# KiCad board clarinoid-devboard.kicad_pcb (continued)
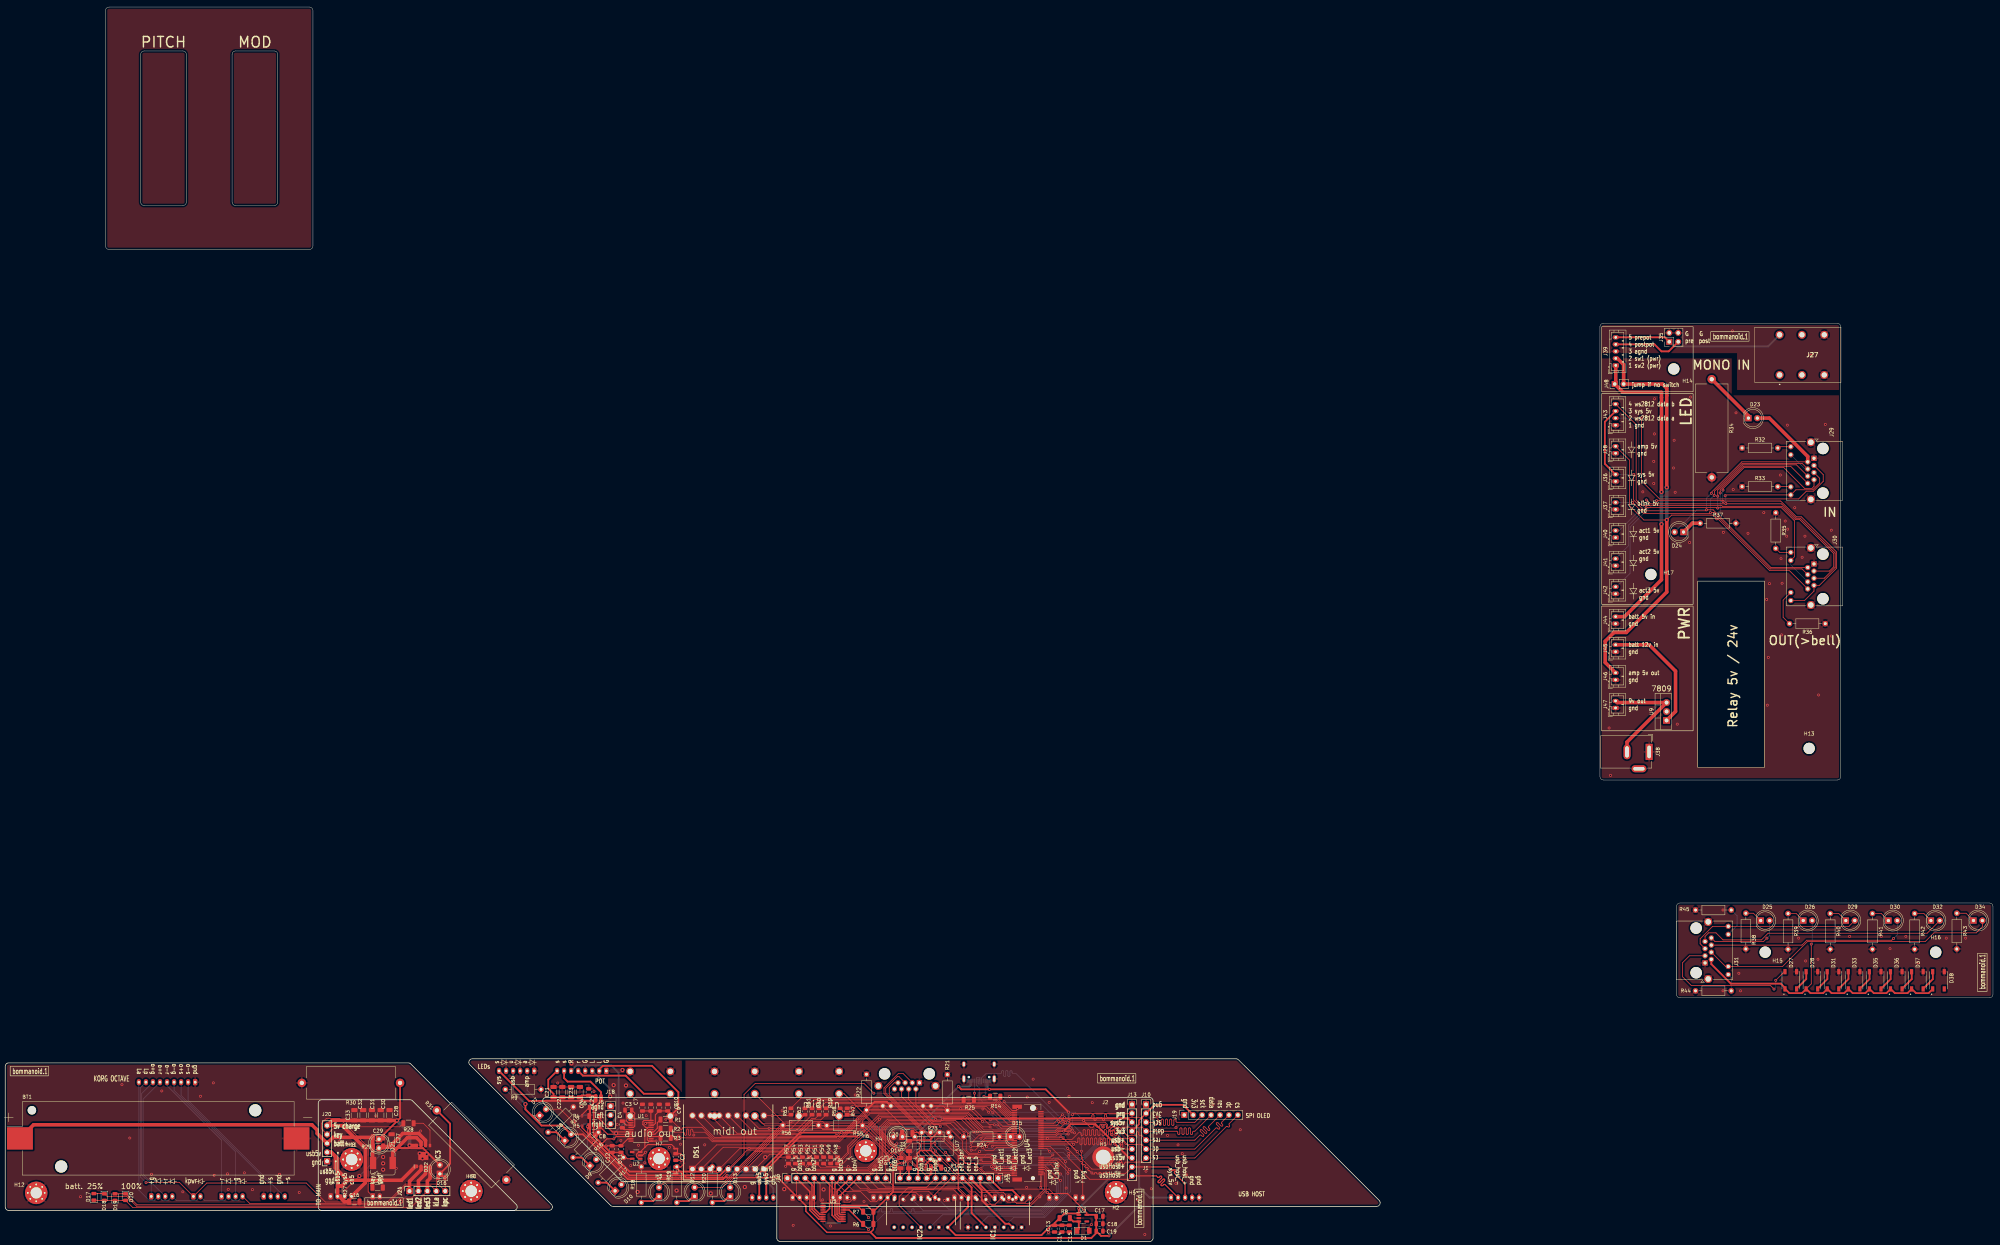
[diagram p0: board, top side]
## Footprints (pads in the part's own frame, mm; a bottom-side part is the same pattern mirrored in y, then rotated)
ACJSMHOM
  round 2.25 hole 1.5: 1(0,0) 2(6.35,0) 3(12.7,0) 4(12.7,11.43) 5(6.35,11.43) 6(0,11.43)
APCI0108-P001A M.2 MicroMod 21992304
  round 1.15 hole 1.15 unplated: (-10,-1.65)
  round 1.65 hole 1.65 unplated: (10,-1.65)
  rect 0.3x1.55 smd: 1(-9.25,3.625) 2(-9,-3.925) 3(-8.75,3.625) 4(-8.5,-3.925) 5(-8.25,3.625) 6(-8,-3.925) 7(-7.75,3.625) 8(-7.5,-3.925) 9(-7.25,3.625) 10(-7,-3.925) 11(-6.75,3.625) 12(-6.5,-3.925) 13(-6.25,3.625) 14(-6,-3.925) 15(-5.75,3.625) 16(-5.5,-3.925) 17(-5.25,3.625) 18(-5,-3.925) 19(-4.75,3.625) 20(-4.5,-3.925) 21(-4.25,3.625) 22(-4,-3.925) 23(-3.75,3.625) 32(-1.5,-3.925) 33(-1.25,3.625) 34(-1,-3.925) 35(-0.75,3.625) 36(-0.5,-3.925) 37(-0.25,3.625) 38(0,-3.925) 39(0.25,3.625) 40(0.5,-3.925) 41(0.75,3.625) 42(1,-3.925) 43(1.25,3.625) 44(1.5,-3.925) 45(1.75,3.625) 46(2,-3.925) 47(2.25,3.625) 48(2.5,-3.925) 49(2.75,3.625) 50(3,-3.925) 51(3.25,3.625) 52(3.5,-3.925) 53(3.75,3.625) 54(4,-3.925) 55(4.25,3.625) 56(4.5,-3.925) 57(4.75,3.625) 58(5,-3.925) 59(5.25,3.625) 60(5.5,-3.925) 61(5.75,3.625) 62(6,-3.925) 63(6.25,3.625) 64(6.5,-3.925) 65(6.75,3.625) 66(7,-3.925) 67(7.25,3.625) 68(7.5,-3.925) 69(7.75,3.625) 70(8,-3.925) 71(8.25,3.625) 72(8.5,-3.925) 73(8.75,3.625) 74(9,-3.925) 75(9.25,3.625)
  rect 1.2x2.75 smd: MP1(-10.35,2.85) MP2(10.35,2.85)
BarrelJack_GCT_DCJ200-10-A_Horizontal
  rect 4.6x2 hole 3.6x1: 1(0,0)
  oval 4.2x2 hole 3.2x1: 2(0,-6.3)
  oval 2x4.2 hole 1x3.2: 3(4.8,-2.9)
BatteryHolder_Keystone_1042_1x18650
  round 2.39 hole 2.39 unplated: (-35.93,8)
  round 3.45 hole 3.45 unplated: (-27.6,-8) (27.6,8)
  rect 7.34x6.35 smd: 1(-39.33,0) 2(39.33,0)
C_0805_2012Metric
  rrect 1x1.45 smd: 1(-0.95,0) 2(0.95,0)
C_1206_3216Metric
  rrect 1.15x1.8 smd: 1(-1.475,0) 2(1.475,0)
D_MiniMELF
  rect 1.3x1.7 smd: 1(-1.75,0) 2(1.75,0)
D_SOD-323
  rect 0.6x0.45 smd: 1(-1.05,0) 2(1.05,0)
DIP794W53P254L1930H508Q14N
  rect 1.13x1.13 hole 0.73: 1(-3.97,7.62)
  round 1.13 hole 0.73: 2(-3.97,5.08) 3(-3.97,2.54) 4(-3.97,0) 5(-3.97,-2.54) 6(-3.97,-5.08) 7(-3.97,-7.62) 8(3.97,-7.62) 9(3.97,-5.08) 10(3.97,-2.54) 11(3.97,0) 12(3.97,2.54) 13(3.97,5.08) 14(3.97,7.62)
DIP-8_W7.62mm
  rect 1.6x1.6 hole 0.8: 1(0,0)
  oval 1.6x1.6 hole 0.8: 2(0,-2.54) 3(0,-5.08) 4(0,-7.62) 5(7.62,-7.62) 6(7.62,-5.08) 7(7.62,-2.54) 8(7.62,0)
DIPS1524W75P254L2520H805Q18N
  rect 1.875x1.875 hole 1.25: 1(0,0)
  round 1.875 hole 1.25: 2(0,-2.54) 3(0,-5.08) 4(0,-7.62) 5(0,-10.16) 6(0,-12.7) 7(0,-15.24) 8(0,-17.78) 9(0,-20.32) 10(15.24,-20.32) 11(15.24,-17.78) 12(15.24,-15.24) 13(15.24,-12.7) 14(15.24,-10.16) 15(15.24,-7.62) 16(15.24,-5.08) 17(15.24,-2.54) 18(15.24,0)
Inductor_MCS0630-1R0MN2
  rect 1.85x3.5 smd: 1(-2.8,3.4) 2(2.8,3.4)
JST_PH_B2B-PH-K_1x02_P2.00mm_Vertical
  rrect 1.2x1.75 hole 0.75: 1(0,0)
  oval 1.2x1.75 hole 0.75: 2(2,0)
JST_PH_B4B-PH-K_1x04_P2.00mm_Vertical
  rrect 1.2x1.75 hole 0.75: 1(0,0)
  oval 1.2x1.75 hole 0.75: 2(2,0) 3(4,0) 4(6,0)
JST_PH_B5B-PH-K_1x05_P2.00mm_Vertical
  rrect 1.2x1.75 hole 0.75: 1(0,0)
  oval 1.2x1.75 hole 0.75: 2(2,0) 3(4,0) 4(6,0) 5(8,0)
JST_PH_B6B-PH-K_1x06_P2.00mm_Vertical
  rrect 1.2x1.75 hole 0.75: 1(0,0)
  oval 1.2x1.75 hole 0.75: 2(2,0) 3(4,0) 4(6,0) 5(8,0) 6(10,0)
JST_PH_B8B-PH-K_1x08_P2.00mm_Vertical
  rrect 1.2x1.75 hole 0.75: 1(0,0)
  oval 1.2x1.75 hole 0.75: 2(2,0) 3(4,0) 4(6,0) 5(8,0) 6(10,0) 7(12,0) 8(14,0)
JST_PH_B9B-PH-K_1x09_P2.00mm_Vertical
  rrect 1.2x1.75 hole 0.75: 1(0,0)
  oval 1.2x1.75 hole 0.75: 2(2,0) 3(4,0) 4(6,0) 5(8,0) 6(10,0) 7(12,0) 8(14,0) 9(16,0)
LED_0805_2012Metric
  rrect 0.975x1.4 smd: 1(-0.938,0) 2(0.938,0)
LED_D5.0mm_withbottomtext
  rect 1.8x1.8 hole 0.9: 1(0,0)
  round 1.8 hole 0.9: 2(2.54,0)
LED_WS2812B-B Worldsemi
  rect 1.5x0.9 smd: 1(-2.45,1.65) 2(-2.45,-1.65) 3(2.45,-1.65) 4(2.45,1.65)
MountingHole_3.2mm_M3
  round 3.2 hole 3.2 unplated: (0,0)
MountingHole_3.2mm_M3_Pad_Via
  round 0.8 hole 0.5: 1(-2.4,0) 1(-1.697,1.697) 1(-1.697,-1.697) 1(0,2.4) 1(0,-2.4) 1(1.697,1.697) 1(1.697,-1.697) 1(2.4,0)
  round 6.4 hole 3.2: 1(0,0)
NetTie-2_SMD_Pad0.5mm
  round 0.5 smd: 1(-0.5,0) 2(0.5,0)
NetTie-2_SMD_Pad1.0mm
  round 1 smd: 1(-0.35,0) 2(1.15,0)
PinHeader_1x02_P2.54mm_Vertical
  rect 1.7x1.7 hole 1: 1(0,0)
  oval 1.7x1.7 hole 1: 2(0,-2.54)
PinHeader_1x03_P2.54mm_Vertical
  rect 1.7x1.7 hole 1: 1(0,0)
  oval 1.7x1.7 hole 1: 2(0,-2.54) 3(0,-5.08)
PinHeader_1x07_P2.54mm_Vertical
  rect 1.7x1.7 hole 1: 1(0,0)
  oval 1.7x1.7 hole 1: 2(0,-2.54) 3(0,-5.08) 4(0,-7.62) 5(0,-10.16) 6(0,-12.7) 7(0,-15.24)
PinHeader_1x09_P2.54mm_Vertical
  rect 1.7x1.7 hole 1: 1(0,0)
  oval 1.7x1.7 hole 1: 2(0,-2.54) 3(0,-5.08) 4(0,-7.62) 5(0,-10.16) 6(0,-12.7) 7(0,-15.24) 8(0,-17.78) 9(0,-20.32)
PinHeader_1x12_P2.54mm_Vertical
  rect 1.7x1.7 hole 1: 1(0,0)
  oval 1.7x1.7 hole 1: 2(0,-2.54) 3(0,-5.08) 4(0,-7.62) 5(0,-10.16) 6(0,-12.7) 7(0,-15.24) 8(0,-17.78) 9(0,-20.32) 10(0,-22.86) 11(0,-25.4) 12(0,-27.94)
PinHeader_2x02_P2.54mm_Vertical
  rect 1.7x1.7 hole 1: 1(0,0)
  oval 1.7x1.7 hole 1: 2(2.54,0) 3(0,-2.54) 4(2.54,-2.54)
PinSocket_1x03_P2.54mm_Vertical
  rect 1.7x1.7 hole 1: 1(0,0)
  oval 1.7x1.7 hole 1: 2(0,-2.54) 3(0,-5.08)
PinSocket_1x05_P2.54mm_Vertical
  rect 1.7x1.7 hole 1: 1(0,0)
  oval 1.7x1.7 hole 1: 2(0,-2.54) 3(0,-5.08) 4(0,-7.62) 5(0,-10.16)
PinSocket_1x07_P2.54mm_Vertical
  rect 1.7x1.7 hole 1: 1(0,0)
  oval 1.7x1.7 hole 1: 2(0,-2.54) 3(0,-5.08) 4(0,-7.62) 5(0,-10.16) 6(0,-12.7) 7(0,-15.24)
PinSocket_1x09_P2.54mm_Vertical
  rect 1.7x1.7 hole 1: 1(0,0)
  oval 1.7x1.7 hole 1: 2(0,-2.54) 3(0,-5.08) 4(0,-7.62) 5(0,-10.16) 6(0,-12.7) 7(0,-15.24) 8(0,-17.78) 9(0,-20.32)
PinSocket_1x12_P2.54mm_Vertical
  rect 1.7x1.7 hole 1: 1(0,0)
  oval 1.7x1.7 hole 1: 2(0,-2.54) 3(0,-5.08) 4(0,-7.62) 5(0,-10.16) 6(0,-12.7) 7(0,-15.24) 8(0,-17.78) 9(0,-20.32) 10(0,-22.86) 11(0,-25.4) 12(0,-27.94)
R_0805_2012Metric
  rrect 1.025x1.4 smd: 1(-0.912,0) 2(0.912,0)
R_1206_3216Metric
  rrect 1.125x1.75 smd: 1(-1.462,0) 2(1.462,0)
R_Axial_DIN0207_L6.3mm_D2.5mm_P10.16mm_Horizontal
  round 1.6 hole 0.8: 1(0,0)
  oval 1.6x1.6 hole 0.8: 2(10.16,0)
R_Axial_Power_L25.0mm_W9.0mm_P27.94mm
  round 2.4 hole 1.2: 1(0,0)
  oval 2.4x2.4 hole 1.2: 2(27.94,0)
RJ45_Amphenol_RJHSE538X
  round 3.25 hole 3.25 unplated: (-2.79,2.54) (9.91,2.54)
  rect 1.5x1.5 hole 0.89: 1(0,0)
  round 1.5 hole 0.89: 2(1.016,-1.78) 3(2.032,0) 4(3.048,-1.78) 5(4.064,0) 6(5.08,-1.78) 7(6.096,0) 8(7.112,-1.78) 9(-3.3,-6.6) 10(-1.01,-6.6) 11(8.13,-6.6) 12(10.42,-6.6)
  round 2.3 hole 1.57: SH(-4.57,-0.89) SH(11.69,-0.89)
Sinhoo SMTSO2530CTJ
  round 6.2 hole 4.22: 1(0,0)
SOIC127P599X155-9N (IP5306)
  rect 0.95x0.7 smd: 1(-2.975,1.905) 2(-2.975,0.635) 3(-2.975,-0.635) 4(-2.975,-1.905) 5(2.975,-1.905) 6(2.975,-0.635) 7(2.975,0.635) 8(2.975,1.905)
  rect 2.25x2.85 smd: 9(0,0)
SOT-23-5
  rrect 1.325x0.6 smd: 1(-1.137,0.95) 2(-1.137,0) 3(-1.137,-0.95) 4(1.137,-0.95) 5(1.137,0.95)
TO-220-3_Vertical
  rect 1.905x2 hole 1.1: 1(0,0)
  oval 1.905x2 hole 1.1: 2(2.54,0) 3(5.08,0)
TSSOP-16_4.4x5mm_P0.65mm
  rrect 1.475x0.4 smd: 1(-2.862,2.275) 2(-2.862,1.625) 3(-2.862,0.975) 4(-2.862,0.325) 5(-2.862,-0.325) 6(-2.862,-0.975) 7(-2.862,-1.625) 8(-2.862,-2.275) 9(2.862,-2.275) 10(2.862,-1.625) 11(2.862,-0.975) 12(2.862,-0.325) 13(2.862,0.325) 14(2.862,0.975) 15(2.862,1.625) 16(2.862,2.275)
TSSOP-20_4.4x6.5mm_P0.65mm
  rrect 1.475x0.4 smd: 1(-2.862,2.925) 2(-2.862,2.275) 3(-2.862,1.625) 4(-2.862,0.975) 5(-2.862,0.325) 6(-2.862,-0.325) 7(-2.862,-0.975) 8(-2.862,-1.625) 9(-2.862,-2.275) 10(-2.862,-2.925) 11(2.862,-2.925) 12(2.862,-2.275) 13(2.862,-1.625) 14(2.862,-0.975) 15(2.862,-0.325) 16(2.862,0.325) 17(2.862,0.975) 18(2.862,1.625) 19(2.862,2.275) 20(2.862,2.925)
USB_C_Receptacle_XKB_U262-16XN-4BVC11
  round 0.65 hole 0.65 unplated: (-2.89,2.605) (2.89,2.605)
  rect 0.3x1.15 smd: A1(-3.35,3.67) A4(-2.55,3.67) A5(-1.25,3.67) A6(-0.25,3.67) A7(0.25,3.67) A8(1.25,3.67) A9(2.55,3.67) A12(3.35,3.67) B1(3.05,3.67) B4(2.25,3.67) B5(1.75,3.67) B6(0.75,3.67) B7(-0.75,3.67) B8(-1.75,3.67) B9(-2.25,3.67) B12(-3.05,3.67)
  oval 1x1.6 hole 0.6x1.2: S1(-4.32,-1.075) S1(4.32,-1.075)
  oval 1x2.1 hole 0.6x1.7: S1(-4.32,3.105) S1(4.32,3.105)

## Nets
/bell/gnd: D27.3 D28.3 D31.3 D33.3 D35.3 D36.3 D37.3 D38.3 J31.1 J31.SH R38.2 R39.2 R40.2 R41.2 R42.2 R43.2 R44.1 R45.1
/bommanoid_batt_bottom/5v_charge_outp: J23.5 J34.4
/bommanoid_batt_bottom/gnd: BT1.2 H10.1 H11.1 H12.1 J23.1 J25.1 J26.2 J34.1 J53.1 J53.3 R30.2 R31.2
/bommanoid_batt_top/gnd: C16.2 C26.2 C27.2 C28.2 C29.2 C30.2 C31.2 C32.2 C33.2 H8.1 H9.1 IC3.9 J20.1
/bommanoid_main_bottom/3v3: J10.2 J13.4 J19.2
/bommanoid_main_bottom/agnd: H7.1 J12.3 J12.4 J18.1 J33.1 J33.4
/bommanoid_main_bottom/gnd: C21.2 C22.2 C23.2 C24.2 C25.2 H5.1 H6.1 J6.A1 J6.A12 J6.B1 J6.B12 J6.S1 J7.1 J7.3 J8.1 J9.1 J10.1 J11.3 J11.4 J13.1 J14.3 J14.4 J15.1 J16.1 J17.1 J17.SH J19.1 J22.1 J22.3 J22.5 J32.4 J32.5 J49.1 J49.3 J50.1 J50.3 J51.1 J51.3 J52.1 J56.1 J57.1 J57.3 J57.5 R9.2 R14.1 R15.2 R16.2 R17.2 R18.2 R19.2 R20.2 R21.1 R22.1 R23.2 R24.2 R25.1
/bommanoid_main_top/3v3: C1.1 C2.1 C17.1 C18.1 C19.1 J1.2 J2.4 NT1.1 R6.2 R7.2 R11.1 R12.2 U3.5 U4.2 U5.16
/bommanoid_main_top/a3v3: C11.1 C12.1 U1.1 U1.8 U2.5
/bommanoid_main_top/agnd: C5.2 C8.2 C11.2 C12.2 H3.1 J5.1 U1.9
/bommanoid_main_top/d3v3: C7.2 C10.2 NT1.2 U1.17 U1.20 U2.1 U2.3
/bommanoid_main_top/gnd: C1.2 C2.2 C6.2 C7.1 C9.2 C10.1 C13.2 C14.2 C15.2 C17.2 C18.2 C19.2 C20.2 D1.2 H1.1 H2.1 H4.1 IC1.1 IC1.4 IC1.7 IC1.10 IC1.13 IC2.1 IC2.4 IC2.7 IC2.13 J1.1 J2.1 J3.1 J4.1 U1.10 U1.11 U1.16 U1.19 U2.2 U3.2 U4.1 U4.7 U4.33 U4.36 U4.39 U4.45 U4.75 U5.1 U5.2 U5.3 U5.8 U7.5
/cab/agnd: J27.3 J27.4 J35.2 J35.4 J39.3
/cab/gnd: J28.1 J29.1 J29.SH J30.1 J30.SH J36.1 J37.1 J38.1 J41.1 J42.1 J43.1 J44.1 J45.1 J46.1 J47.1 R32.1 R33.1 R34.2 R35.1 R36.1 R37.2 U9.2
/bell/amp_5v: D25.2 J31.8
/bell/led_act1_5v: D29.2 J31.5 J31.12
/bell/led_act2_5v: D30.2 J31.6
/bell/led_act3_5v: D32.2 J31.7
/bell/led_blink_5v: D34.2 J31.4 J31.10
/bell/sys_5v: D26.2 D27.1 D28.1 D31.1 D33.1 D35.1 D36.1 D37.1 D38.1 J31.2
/bell/ws2812_data: D27.4 J31.3
/bommanoid_batt_bottom/batt+: BT1.1 J23.3
/bommanoid_batt_bottom/chargeled_1: D17.2 D18.1 J24.1
/bommanoid_batt_bottom/chargeled_2: D19.2 D20.1 J24.2
/bommanoid_batt_bottom/chargeled_3: D17.1 D18.2 D19.1 D20.2 J24.3
/bommanoid_batt_bottom/key: J23.4 J26.1
/bommanoid_batt_bottom/korg_led_anode: J24.4 J25.9 J54.2 J55.2 J55.4 J58.2 J58.4
/bommanoid_batt_bottom/korg_power_led_cathode: J24.5 J25.8 J54.1
/bommanoid_batt_bottom/oct_down_green_cathode: J25.4 J55.3
/bommanoid_batt_bottom/oct_down_red_cathode: J25.5 J55.1
/bommanoid_batt_bottom/oct_down_sw: J25.2 J53.4
/bommanoid_batt_bottom/oct_up_green_cathode: J25.7 J58.1
/bommanoid_batt_bottom/oct_up_red_cathode: J25.6 J58.3
/bommanoid_batt_bottom/oct_up_sw: J25.3 J53.2
/bommanoid_batt_bottom/sys_5v: D21.2 D22.2 J34.3
/bommanoid_batt_bottom/usb_5v: J23.2 J34.2
/bommanoid_batt_top/batt+: C29.1 J20.3 L1.2 R29.1
/bommanoid_batt_top/chargeled_1: IC3.2 J21.1
/bommanoid_batt_top/chargeled_2: IC3.3 J21.2
/bommanoid_batt_top/chargeled_3: IC3.4 J21.3
/bommanoid_batt_top/charger output +5v: C28.1 C30.1 C31.1 C32.1 C33.1 IC3.8 J20.5
/bommanoid_batt_top/key: J20.4 R28.2
/bommanoid_batt_top/korg_power_led_anode: D16.2 J21.4
/bommanoid_batt_top/korg_power_led_cathode: D16.1 J21.5
/bommanoid_batt_top/usb_5v: C26.1 IC3.1 J20.2 R27.1
/bommanoid_main_bottom/aleft_post_pot: J12.6 J33.2
/bommanoid_main_bottom/aleft_pre_pot: J18.2 J33.3
/bommanoid_main_bottom/amp_5v: D7.2 J17.8 J22.2
/bommanoid_main_bottom/aright_post_pot: J12.5 J33.5
/bommanoid_main_bottom/aright_pre_pot: J18.3 J33.6
/bommanoid_main_bottom/btn_x1: J16.2 J49.2
/bommanoid_main_bottom/btn_x2: J16.3 J49.4
/bommanoid_main_bottom/btn_x3: J16.4 J50.2
/bommanoid_main_bottom/btn_x4: J16.5 J50.4
/bommanoid_main_bottom/btn_x5: J16.6 J51.2
/bommanoid_main_bottom/btn_x6: J16.7 J51.4
/bommanoid_main_bottom/btn_x7: J7.2 J16.8
/bommanoid_main_bottom/btn_x8: J7.4 J16.9
/bommanoid_main_bottom/chargeoutp_5v: J8.4 NT4.2
/bommanoid_main_bottom/enc_a: J16.11 J52.3
/bommanoid_main_bottom/enc_b: J16.12 J52.4
/bommanoid_main_bottom/enc_btn: J16.10 J52.2
/bommanoid_main_bottom/led_act1_5v: D11.2 J15.3 J17.5 J57.2
/bommanoid_main_bottom/led_act2_5v: D12.2 J15.4 J17.6 J57.4
/bommanoid_main_bottom/led_act3_5v: D13.2 J15.5 J17.7 J57.6
/bommanoid_main_bottom/led_blink_5v: D10.2 J15.2 J17.4 J56.2
/bommanoid_main_bottom/led_rj45_green_5v: J15.7 J17.12
/bommanoid_main_bottom/led_rj45_yellow_5v: J15.6 J17.10
/bommanoid_main_bottom/midi_in_ring: J14.5 J15.9
/bommanoid_main_bottom/midi_in_tip: J14.6 J15.10
/bommanoid_main_bottom/midi_out_ring: J11.5 J15.11
/bommanoid_main_bottom/midi_out_tip: J11.6 J15.12
/bommanoid_main_bottom/oled_cs: J10.7 J19.7
/bommanoid_main_bottom/oled_data: J10.4 J19.4
/bommanoid_main_bottom/oled_dc: J10.6 J19.6
/bommanoid_main_bottom/oled_rst: J10.5 J19.5
/bommanoid_main_bottom/oled_sck: J10.3 J19.3
/bommanoid_main_bottom/pot_sw1: J33.7 NT4.1
/bommanoid_main_bottom/pot_sw2: C21.1 C22.1 C23.1 C24.1 C25.1 J33.8 NT5.1
/bommanoid_main_bottom/prg: J9.2 J13.2
/bommanoid_main_bottom/sys_5v: D9.2 D14.2 D15.2 J8.3 J13.3 J17.2 J22.6 J32.1 NT5.2
/bommanoid_main_bottom/usb_5v: D8.2 J6.A4 J6.A9 J6.B4 J6.B9 J8.2 J13.7 J22.4
/bommanoid_main_bottom/usb_data_+: J6.A6 J6.B6 J13.5
/bommanoid_main_bottom/usb_data_-: J6.A7 J6.B7 J13.6
/bommanoid_main_bottom/usb_host_+: J13.8 J32.3
/bommanoid_main_bottom/usb_host_-: J13.9 J32.2
/bommanoid_main_bottom/ws2812_data_5v: J15.8 J17.3
/bommanoid_main_top/aleft: C5.1 J5.2 R4.2
/bommanoid_main_top/aright: C8.1 J5.3 R5.2
/bommanoid_main_top/btn_x1: J4.2 U5.7
/bommanoid_main_top/btn_x2: J4.3 U5.6
/bommanoid_main_top/btn_x3: J4.4 U5.5
/bommanoid_main_top/btn_x4: J4.5 U5.4
/bommanoid_main_top/btn_x5: J4.6 U5.9
/bommanoid_main_top/btn_x6: J4.7 U5.10
/bommanoid_main_top/btn_x7: J4.8 U5.11
/bommanoid_main_top/btn_x8: J4.9 U5.12
/bommanoid_main_top/enc_a: J4.11 U4.43
/bommanoid_main_top/enc_b: J4.12 U4.41
/bommanoid_main_top/enc_btn: J4.10 U4.47
/bommanoid_main_top/I2C_SCL: R6.1 U4.14 U5.14
/bommanoid_main_top/I2C_SDA: R7.1 U4.12 U5.15
/bommanoid_main_top/I2S_BCK_MM: R3.1 U4.50
/bommanoid_main_top/I2S_DIN_MM: R2.1 U4.56
/bommanoid_main_top/I2S_LRCK_MM: R1.1 U4.52
/bommanoid_main_top/ld_a: R62.2 U4.71
/bommanoid_main_top/ld_b: R63.2 U4.73
/bommanoid_main_top/ld_c: R57.1 U4.22
/bommanoid_main_top/ld_d: R53.1 U4.38
/bommanoid_main_top/LD_dig1: R55.2 U4.53
/bommanoid_main_top/LD_dig2: R56.2 U4.58
/bommanoid_main_top/ld_dp: R54.1 U4.32
/bommanoid_main_top/ld_e: R48.1 U4.49
/bommanoid_main_top/ld_f: R47.1 U4.63
/bommanoid_main_top/ld_g: R58.2 U4.60
/bommanoid_main_top/ld_h: R59.2 U4.65
/bommanoid_main_top/ld_j: R60.2 U4.67
/bommanoid_main_top/ld_k: R52.1 U4.44
/bommanoid_main_top/ld_l: R51.1 U4.46
/bommanoid_main_top/ld_m: R50.1 U4.48
/bommanoid_main_top/ld_n: R49.1 U4.51
/bommanoid_main_top/ld_p: R61.2 U4.69
/bommanoid_main_top/led_act1_3v3: IC1.12 U4.8
/bommanoid_main_top/led_act1_5v: IC1.11 J3.3
/bommanoid_main_top/led_act2_3v3: IC1.5 U4.20
/bommanoid_main_top/led_act2_5v: IC1.6 J3.4
/bommanoid_main_top/led_act3_3v3: IC1.2 U4.18
/bommanoid_main_top/led_act3_5v: IC1.3 J3.5
/bommanoid_main_top/led_blink_3v3: IC1.9 U4.4
/bommanoid_main_top/led_blink_5v: IC1.8 J3.2
/bommanoid_main_top/led_rj45_green_3v3: IC2.5 U4.16
/bommanoid_main_top/led_rj45_green_5v: IC2.6 J3.7
/bommanoid_main_top/led_rj45_yellow_3v3: IC2.2 U4.10
/bommanoid_main_top/led_rj45_yellow_5v: IC2.3 J3.6
/bommanoid_main_top/midi_in_ring: J3.9 R10.1
/bommanoid_main_top/midi_in_tip: D2.2 J3.10 U7.3
/bommanoid_main_top/midi_out_ring: J3.11 R12.1
/bommanoid_main_top/midi_out_tip: J3.12 R13.1
/bommanoid_main_top/oled_cs: J1.7 U4.55
/bommanoid_main_top/oled_data: J1.4 U4.59
/bommanoid_main_top/oled_dc: J1.6 U4.40
/bommanoid_main_top/oled_rst: J1.5 U4.42
/bommanoid_main_top/oled_sck: J1.3 U4.57
/bommanoid_main_top/prg: J2.2 U4.11
/bommanoid_main_top/sys_5v: C13.1 C14.1 C15.1 C20.1 IC1.14 IC2.14 J2.3 R8.2 U3.1 U4.9 U7.8
/bommanoid_main_top/T00 MIDI IN: R11.2 U4.19 U7.6
/bommanoid_main_top/T01=MIDI OUT: R13.2 U4.17
/bommanoid_main_top/usb_5v: J2.7
/bommanoid_main_top/usb_data_+: J2.5 U4.3
/bommanoid_main_top/usb_data_-: J2.6 U4.5
/bommanoid_main_top/usb_host_+: J2.8 U4.35
/bommanoid_main_top/usb_host_-: J2.9 U4.37
/bommanoid_main_top/ws2812_data_1: IC2.11 J3.8
/bommanoid_main_top/ws2812_data_3v3: IC2.12 U4.34
/cab/ain_postpot: J35.3 J39.4
/cab/ain_prepot: J27.6 J35.1 J39.5
/cab/amp_5v: J28.2 J29.8 J30.8 J46.2 NT3.2
/cab/amp_9v: J38.2 J47.2 U9.3
/cab/led_act1_5v: J29.5 J29.12 J30.5 J40.2
/cab/led_act2_5v: J29.6 J30.6 J30.10 J41.2
/cab/led_act3_5v: J29.7 J30.7 J30.12 J42.2
/cab/led_blink_5v: J29.4 J29.10 J30.4 J37.2
/cab/pot_sw1: J39.2 J48.2 NT3.1
/cab/pot_sw2: J39.1 J48.1 NT2.1
/cab/powerbank_5v: J44.2 NT2.2
/cab/powerbank_12v+: J45.2 U9.1
/cab/sys_5v: D23.2 D24.2 J29.2 J30.2 J36.2 J43.3
/cab/ws2812_data_a: J29.3 J43.2
/cab/ws2812_data_b: J30.3 J43.4
Net-(C3-Pad1): C3.1 U1.2
Net-(C3-Pad2): C3.2 U1.4
Net-(C4-Pad1): C4.1 U1.5
Net-(C4-Pad2): C4.2 U1.3
Net-(C6-Pad1): C6.1 C9.1 U1.18
Net-(C16-Pad1): C16.1 R27.2
Net-(C27-Pad1): C27.1 IC3.6 R29.2
Net-(D1-Pad1): D1.1 R8.1 U3.3
Net-(D2-Pad1): D2.1 R10.2 U7.2
Net-(D7-Pad1): D7.1 R9.1
Net-(D8-Pad1): D8.1 R15.1
Net-(D9-Pad1): D9.1 R16.1
Net-(D10-Pad1): D10.1 R17.1
Net-(D11-Pad1): D11.1 R18.1
Net-(D12-Pad1): D12.1 R19.1
Net-(D13-Pad1): D13.1 R20.1
Net-(D14-Pad1): D14.1 R23.1
Net-(D15-Pad1): D15.1 R24.1
Net-(D21-Pad1): D21.1 R30.1
Net-(D22-Pad1): D22.1 R31.1
Net-(D23-Pad1): D23.1 R34.1
Net-(D24-Pad1): D24.1 R37.1
Net-(D25-Pad1): D25.1 R38.1
Net-(D26-Pad1): D26.1 R39.1
Net-(D27-Pad2): D27.2 D28.4
Net-(D28-Pad2): D28.2 D31.4
Net-(D29-Pad1): D29.1 R40.1
Net-(D30-Pad1): D30.1 R41.1
Net-(D31-Pad2): D31.2 D33.4
Net-(D32-Pad1): D32.1 R42.1
Net-(D33-Pad2): D33.2 D35.4
Net-(D34-Pad1): D34.1 R43.1
Net-(D35-Pad2): D35.2 D36.4
Net-(D36-Pad2): D36.2 D37.4
Net-(D37-Pad2): D37.2 D38.4
Net-(DS1-Pad1): DS1.1 R48.2
Net-(DS1-Pad2): DS1.2 R49.2
Net-(DS1-Pad4): DS1.4 R50.2
Net-(DS1-Pad5): DS1.5 R51.2
Net-(DS1-Pad6): DS1.6 R52.2
Net-(DS1-Pad7): DS1.7 R53.2
Net-(DS1-Pad8): DS1.8 R54.2
Net-(DS1-Pad9): DS1.9 R57.2
Net-(DS1-Pad10): DS1.10 R63.1
Net-(DS1-Pad11): DS1.11 R56.1
Net-(DS1-Pad12): DS1.12 R62.1
Net-(DS1-Pad13): DS1.13 R61.1
Net-(DS1-Pad14): DS1.14 R60.1
Net-(DS1-Pad15): DS1.15 R59.1
Net-(DS1-Pad16): DS1.16 R55.1
Net-(DS1-Pad17): DS1.17 R58.1
Net-(DS1-Pad18): DS1.18 R47.2
Net-(IC3-Pad5): IC3.5 R28.1
Net-(IC3-Pad7): IC3.7 L1.1
Net-(J6-PadA5): J6.A5 R25.2
Net-(J6-PadB5): J6.B5 R14.2
Net-(J17-Pad9): J17.9 R21.2
Net-(J17-Pad11): J17.11 R22.2
Net-(J29-Pad9): J29.9 R32.2
Net-(J29-Pad11): J29.11 R33.2
Net-(J30-Pad9): J30.9 R35.2
Net-(J30-Pad11): J30.11 R36.2
Net-(J31-Pad9): J31.9 R44.2
Net-(J31-Pad11): J31.11 R45.2
Net-(R1-Pad2): R1.2 U1.15
Net-(R2-Pad2): R2.2 U1.14
Net-(R3-Pad2): R3.2 U1.13
Net-(R4-Pad1): R4.1 U1.6
Net-(R5-Pad1): R5.1 U1.7

Pads without a net: D38 2; DS1 3; IC2 8 9 10; J6 A8 B8; J11 1 2; J12 1 2; J14 1 2; J27 1 2 5; J38 3; J40 1; U1 12; U2 4; U3 4; U4 6 13 15 21 23 54 61 62 64 66 68 70 72 74 MP1 MP2; U5 13; U7 1 4 7

## Via types
v1: diameter 0.8, hole 0.4, Top to Bottom, 289 vias
v2: diameter 1.2, hole 0.6, Top to Bottom, 28 vias

## Routing (per net, layer and track width the routed paths; a pad name or vN(x,y) marks a point on that pad's centre or on a via; arc(x,y) is an arc through that point)
/bell/gnd:
  vias: v1(488.5,94.34) v1(488.5,71.34) v1(493,76.34) v1(493.5,71.34) v1(510,86.34) v1(512,79.84) v1(515.5,80.34) v1(524.5,86.84) v1(533.5,86.84) v1(536,83.34) v1(540.5,86.84) v1(544,79.34) v1(552,86.34) v1(557.5,86.34)
/bommanoid_batt_bottom/5v_charge_outp: length 28.8
  Top w1: J34.4 102.4,16.74 102.4,26.44 95.84,33 J23.5
/bommanoid_batt_bottom/gnd:
  vias: v1(21.4,12.74) v1(33.17,44.64) v1(35.4,29.44) v1(41.6,19.14) v1(44.5,42.84) v1(50.5,14.14) v1(55.5,41.34) v1(59.17,45.14) v1(59.4,18.84) v1(63.2,19.24) v1(63.4,14.84) v1(68,19.54) v1(70.3,14.74) v1(78,19.14) v1(83.6,13.94) v1(94.9,28.44) v1(105.4,35.74) v1(111.2,20.84) v1(118.1,31.44)
/bommanoid_batt_top/gnd:
  vias: v2(107.45,24.04) v2(107.45,22.24) v2(107.45,20.44) v2(117.85,25.04) v2(118.65,23.64) v2(119.85,24.84)
/bommanoid_main_bottom/3v3: length 22.4
  Top w0.4: J10.2 322.39,34.44 322.39,33.36 J13.4
  Top w0.5: J10.2 326.86,38.9 334.94,38.9 J19.2
/bommanoid_main_bottom/agnd:
  vias: v2(161.02,50.7) v2(172.02,41.3) v2(173.02,44.5) v2(173.72,30.8) v2(175.52,48.8) v2(176.52,44.4)
/bommanoid_main_bottom/gnd: length 2.4
  Bottom w0.2: J6.S1 280.68,45.73 J6.A12 ; J6.A1 273,46.3 J6.S1
  vias: v1(157.12,45.1) v1(167.42,42.7) v1(211.52,26.5) v1(217.22,32.2) v1(218.12,35.8) v1(220.92,37.2) v1(221.92,21.4) v1(228.22,21.7) v1(239.72,21.3) v1(241.02,37.8) v1(241.72,41.7) v1(242.32,34.9) v1(244.22,11.4) v1(247.32,21.5) v1(248.62,34.8) v1(255.62,11.7) v1(258.72,24) v1(261.52,20.7) v1(267.12,11.7) v1(271.72,37.8) v1(273.02,24) v1(273.82,21.1) v1(278.02,37.7) v1(278.72,13) v1(280.42,21.3) v1(285.62,41.3) v1(287.82,37.8) v1(290.62,41.1) v1(292.32,46.2) v1(293.12,37.8) v1(294.22,12.7) v1(296.32,29.3) v1(301.72,15.2) v1(302.42,24.3) v1(302.52,41.3) v1(309.02,19.5) v1(309.12,39.5) v1(311.72,28.7) v1(312.12,33.1) v1(314.72,30.5) v1(315.82,32.3) v1(317.12,33.7) v1(317.22,22.8) v1(317.42,27.8) v1(321.92,12) v1(324.42,20) v1(325.92,15) v1(327.62,35.4) v1(330.52,30.2) v1(332.92,32.4) v1(332.92,16.5) v1(333.52,27.5) v1(334.72,25) v1(335.92,19) v1(343.42,39) v1(351.22,31.8) v2(179.82,14.1) v2(190.92,14.5) v2(200.62,13.7) v2(210.32,15.5) v2(216.12,24) v2(221.52,14.9) v2(232.72,14.8)
/bommanoid_main_top/3v3: length 249.4
  Top w0.3: v1(294.47,15.4) 294.53,15.46 U4.2 ; NT1.1 191.18,25.5 C2.1 192.07,25 193.02,24.05 193.02,22.15 192.07,21.2 C1.1 ; v1(296.33,13.94) 296.63,13.64 302.09,13.64 307.57,8.16 U3.5
  Top w0.4: R11.1 R12.2 255.46,22.2 253.87,22.2 252.47,20.8 252.47,14.09 R7.2 ; C1.1 193.68,18.2 219.68,18.2 227.68,10.2 227.68,8.6 233.68,2.6 246.07,2.6 246.88,3.41 R6.2 R7.2 ; U5.16 245.11,10.28 R7.2
  Top w0.5: C19.1 310.26,2.38 308.87,1 247.68,1 246.07,2.6 ; C19.1 311.61,1.6 v1(313.87,1.6) ; C19.1 C17.1 309.81,7.6 U3.5
  Bottom w0.3: v1(294.47,15.4) 295.93,13.94 v1(296.33,13.94)
  Bottom w0.4: 324.42,36.54 323.17,35.29 323.17,34.28 320.42,31.53
  Bottom w0.5: v1(313.87,1.6) 322.47,10.2 322.47,29.33 J2.4
/bommanoid_main_top/a3v3: length 29.5
  Top w0.3: v1(177.87,35.6) 177.93,35.54 U1.1 ; U1.8 173.75,29.88 v1(173.07,29.2) 171.07,29.2 169.88,28 169.88,26.6 171.12,25.35 C12.1 C11.1 176.89,23.55 U2.5
  Bottom w0.3: v1(173.07,29.2) 173.07,30.8 v1(177.87,35.6)
/bommanoid_main_top/agnd: length 7.9
  Top w0.3: v1(170.88,27.2) 170.92,27.25 C12.2 C11.2 177.07,29.23 U1.9
  vias: v1(162.07,34.2) v1(163.88,38.4) v1(167.27,28.2) v1(174.02,33.3) v1(175.07,28.8) v1(175.67,39.4) v1(177.87,21.6)
/bommanoid_main_top/d3v3: length 30.9
  Top w0.3: U1.17 182.93,32.48 ; 182.93,32.48 182.14,32.48 181.33,33.29 181.33,34.11 181.64,34.43 U1.20 183.59,34.49 C10.2 C7.2 ; 182.93,32.48 182.88,32.48 181.89,31.49 181.89,26.78 ; 180.14,25.45 179.55,24.86 179.55,24.14 180.14,23.55 ; 181.89,26.78 U2.3 ; 181.89,26.78 182.71,27.6 189.47,27.6 190.18,26.9 NT1.2
/bommanoid_main_top/gnd: length 81.1
  Top w0.2: v1(280.87,20.8) 281.43,20.25 U4.7 ; U4.45 277.82,29.75 v1(277.47,29.4) ; U4.39 279.32,28.25 v1(277.87,26.8) 278.77,25.9 280.96,25.9 281.81,26.75 U4.33 ; U5.3 U5.1 ; U4.36 302.97,27.5 v1(304.87,25.6) ; v1(284.07,39.8) 284.07,39.53 286.36,37.25 ; U4.1 283.11,18.75
  Top w0.3: v1(192.28,23) 192.18,23.1 C2.2 ; U1.16 182.93,31.83 182.57,31.46 182.57,28.94 182.93,28.58 U1.11 185.05,28.58 v1(185.07,28.6) ; U2.2 181.18,24.5 v1(182.07,25.4) ; U1.19 182.25,33.78 v1(182.07,33.6)
  Bottom w0.2: J3.1 282.36,19.31 v1(280.87,20.8) ; U7.5 269.22,32 273.28,32 275.87,29.4 v1(277.47,29.4)
  vias: v1(180.07,27.4) v1(181.87,22.4) v1(182.28,35.8) v1(187.87,34.8) v1(188.87,26.8) v1(190.72,36) v1(191.87,18) v1(192.02,27.7) v1(195.82,30.3) v1(198.92,27.5) v1(223.42,34.1) v1(224.07,4.6) v1(232.46,11.83) v1(234.68,4.4) v1(237.12,26.7) v1(240.07,12.2) v1(252.47,31.6) v1(290.47,15.4) v1(296.68,2.6) v1(296.87,39.6) v1(308.87,4.8) v1(324.07,2)
/cab/agnd:
  vias: v1(491.19,259.15) v1(513.5,252.24)
/cab/gnd:
  vias: v1(456.1,146.14) v1(456.5,132.64) v1(465.7,213.34) v1(468.8,222.04) v1(468.8,215.74) v1(469,239.84) v1(469,229.84) v1(474.4,220.14) v1(474.6,228.04) v1(474.9,213.24) v1(475.5,147.24) v1(479,198.94) v1(479.3,240.34) v1(488.6,201.84) v1(491.4,214.04) v1(492.2,235.84) v1(495.61,201.55) v1(500.1,207.44) v1(500.9,182.74) v1(501.1,152.64) v1(501.4,166.24) v1(501.7,187.24) v1(504.8,218.14) v1(505,194.34) v1(505.2,172.64) v1(505.3,187.34) v1(506.2,205.04) v1(506.6,200.74) v1(506.8,232.34) v1(506.9,202.74) v1(508.9,208.84) v1(511,194.74) v1(511.8,200.74) v1(515.7,155.54) v1(517.6,232.54) v1(519.3,202.44) v1(519.3,172.34)
/bell/amp_5v: length 22
  Top w0.2: J31.8 486.23,85.34 500,85.34 v1(501,86.34)
  Bottom w0.2: v1(501,86.34) 501.76,87.11 D25.2
/bell/led_act1_5v: length 49.5
  Top w0.2: D29.2 524.33,89.7 J31.12 485.56,89.7 482,86.14 482,84.74 J31.5
/bell/led_act2_5v: length 58.1
  Top w0.2: v1(537,86.24) 536.5,85.74 512.33,85.74 510.96,84.36 J31.6
  Bottom w0.2: v1(537,86.24) 538.07,87.31 D30.2
/bell/led_act3_5v: length 71.7
  Top w0.2: D32.2 546.56,87.74 501.33,87.74 499.44,85.84 488.5,85.84 486.5,87.84 484.4,87.84 483.4,86.84 J31.7
/bell/led_blink_5v: length 85.2
  Top w0.2: D34.2 562.26,89.61 560.5,87.84 548.5,87.84 546,85.34 512.5,85.34 505.43,78.27 J31.10 489.24,78.27 J31.4
/bell/sys_5v: length 94.3
  Top w0.2: 512.17,71.89 513.6,73.32 v1(513.6,84.64)
  Top w0.5: 506.18,71.89 507.37,70.69 510.97,70.69 512.17,71.89 513.38,70.69 516.97,70.69 518.17,71.89 519.38,70.69 522.97,70.69 524.17,71.89 525.38,70.69 528.97,70.69 530.17,71.89 531.38,70.69 534.97,70.69 536.17,71.89 537.38,70.69 540.97,70.69 542.17,71.89 543.38,70.69 546.97,70.69 548.17,71.89 ; 506.18,72.14 504.93,73.39 490.73,73.39 485.18,78.94 J31.2
  Bottom w0.2: v1(513.6,84.64) 513.87,84.91 D26.2
/bell/ws2812_data: length 44.8
  Top w0.2: v1(503.5,74.34) 505.95,76.79 ; v1(503,71.84) 502,72.84 479.5,72.84 477,75.34 477,79.34 478.97,81.31 J31.3
  Bottom w0.2: v1(503,71.84) 503.5,72.34 v1(503.5,74.34)
/bommanoid_batt_bottom/batt+: length 91.7
  Top w1: J23.3 88.7,30.75 88.7,31.72 87.2,33.22 8.04,33.22 BT1.1
/bommanoid_batt_bottom/chargeled_1: length 92.7
  Top w0.2: D18.1 28.99,12.79 34.59,12.79 37.33,10.04 111.2,10.04 v2(112.5,11.34) ; D17.2 28.14,13.64
  Bottom w0.2: v2(112.5,11.34) 114.96,13.8
/bommanoid_batt_bottom/chargeled_2: length 89.1
  Top w0.2: J24.2 115.5,12.34 112.23,12.34 110.33,10.44 37.5,10.44 34.36,13.58 ; D19.2 D20.1
/bommanoid_batt_bottom/chargeled_3: length 97.6
  Top w0.2: J24.3 115.34,9.64 36.26,9.64 D20.2 25.26,11.7
/bommanoid_batt_bottom/key: length 35.7
  Top w0.2: J23.4 89.9,32.09 89.9,33.64 91.3,35.04 95,35.04 103.2,26.84 103.2,14.14 J26.1
/bommanoid_batt_bottom/korg_led_anode: length 124.5
  Top w0.2: J55.4 69.5,10.84 108.87,10.84 113.97,15.94 120.98,15.94 J24.4
  Bottom w0.2: J25.9 38,14.59 40.92,11.67 42.32,11.67 J58.2 44.67,11.67 46.32,11.67 J58.4 48.67,11.67 54.32,11.67 J54.2 56.67,11.67 62.32,11.67 J55.2 64.67,11.67 66.32,11.67 J55.4
/bommanoid_batt_bottom/korg_power_led_cathode: length 123.5
  Top w0.2: v1(40.04,16.75) 40.13,16.84 49.5,16.84 J54.1 57.3,16.64 85.6,16.64 91,11.24 108.7,11.24 113.8,16.34 123.12,16.34 J24.5
  Bottom w0.2: J25.8 38.4,43.74 38.4,18.38 v1(40.04,16.75)
/bommanoid_batt_bottom/oct_down_green_cathode: length 39.7
  Bottom w0.2: J25.4 48,43.01 65.5,25.51 J55.3
/bommanoid_batt_bottom/oct_down_red_cathode: length 38.9
  Bottom w0.2: J25.5 46,44.34 61.5,28.84 J55.1
/bommanoid_batt_bottom/oct_down_sw: length 43.8
  Bottom w0.2: 79.3,12.84 52,40.14 J25.2
/bommanoid_batt_bottom/oct_up_green_cathode: length 34.9
  Bottom w0.2: J25.7 38.8,42.14 38.8,18.97 41.5,16.28 J58.1
/bommanoid_batt_bottom/oct_up_red_cathode: length 37.1
  Bottom w0.2: J25.6 39.2,40.54 39.2,19.14 J58.3
/bommanoid_batt_bottom/oct_up_sw: length 43.1
  Bottom w0.2: J25.3 50,41.58 75.5,16.08 J53.2
/bommanoid_batt_bottom/sys_5v: length 37.1
  Top w0.2: J34.3 96.5,14.44 v2(100.7,18.64)
  Top w0.5: D21.2 118.76,26.6 D22.2
  Bottom w0.2: v2(100.7,18.64) 106.28,24.22 D21.2
/bommanoid_batt_bottom/usb_5v: length 14.5
  Top w1: J34.2 94.5,23.61 92.73,25.38 J23.2
/bommanoid_batt_top/batt+: length 20.9
  Top w1: 104.5,22.42 C29.1 93.25,29.64 J20.3
/bommanoid_batt_top/chargeled_1: length 8.4
  Top w1: J21.1 114.96,17.13 118.24,20.41 IC3.2
/bommanoid_batt_top/chargeled_2: length 7.9
  Top w1: IC3.3 119.51,19.28 117.5,17.26 J21.2
/bommanoid_batt_top/chargeled_3: length 7.3
  Top w1: J21.3 120.04,17.21 120.78,17.94 IC3.4
/bommanoid_batt_top/charger output +5v: length 31
  Top w1: v2(111.38,34.44) 109.3,34.44 ; v2(114.97,27.34) 115,27.32 IC3.8 ; C28.1 C33.1 92.99,34.47 J20.5
  Bottom w1: v2(111.38,34.44) 114.97,30.84 v2(114.97,27.34)
/bommanoid_batt_top/key: length 23
  Top w0.2: R28.2 112.21,32.64 93.7,32.64 J20.4
/bommanoid_batt_top/korg_power_led_anode: length 4.1
  Top w0.2: D16.2 122.58,17.68 J21.4
/bommanoid_batt_top/korg_power_led_cathode: length 3.8
  Top w0.2: 125.12,18.13 J21.5
/bommanoid_batt_top/usb_5v: length 37
  Top w1: R27.1 95.74,15.8 97.38,17.44 ; 97.38,17.44 104.27,17.44 ; 97.38,17.44 93.88,20.94 93.88,24.23 92.73,25.38 J20.2 ; 104.27,17.44 104.38,17.34 104.38,15.92 ; 104.27,17.44 112.67,17.44 116.6,21.37 IC3.1
/bommanoid_main_bottom/aleft_post_pot: length 33.8
  Top w0.5: J12.6 191.42,37.99 191.42,42.5 183.92,50 169.92,50 168.92,49
/bommanoid_main_bottom/aleft_pre_pot: length 16.1
  Bottom w0.5: J33.3 173.72,41.75 173.72,37.56 J18.2
/bommanoid_main_bottom/amp_5v: length 143
  Top w0.2: D7.2 157.89,37.65 177.29,18.25 203.67,18.25 210.09,24.68 210.09,41.8 213.3,45 244.19,45 v1(246.99,42.2)
  Bottom w0.2: J22.2 148.42,43 D7.2 ; v1(246.99,42.2) 251.67,42.2 J17.8
/bommanoid_main_bottom/aright_post_pot: length 28.9
  Top w0.5: J33.5 164.27,47.2 176.43,47.2 181.58,42.05 J12.5
/bommanoid_main_bottom/aright_pre_pot: length 30.5
  Bottom w0.5: J33.6 162.47,50.1 172.32,50.1 174.42,48 174.42,35.72 J18.3
/bommanoid_main_bottom/btn_x1: length 5.9
  Top w0.2: J16.2 224.96,13.46 J49.2
/bommanoid_main_bottom/btn_x2: length 6.5
  Top w0.2: J49.4 229.92,15.58 J16.3
/bommanoid_main_bottom/btn_x3: length 13.7
  Top w0.2: J16.4 231.72,16.32 231.72,11.6 232.32,11 235.92,11 J50.2
/bommanoid_main_bottom/btn_x4: length 13.4
  Top w0.2: J50.4 240.12,11.2 238.52,11.2 238.52,13.3 236.92,14.9 235.68,14.9 J16.5
/bommanoid_main_bottom/btn_x5: length 17.1
  Top w0.2: J16.6 238.92,14.2 243.22,14.2 246.09,11.32 247.74,11.32 J51.2
/bommanoid_main_bottom/btn_x6: length 17.5
  Top w0.2: J51.4 251.52,13.9 245.71,13.9 245.01,14.6 241.06,14.6 J16.7
/bommanoid_main_bottom/btn_x7: length 22.5
  Top w0.2: J7.2 259.02,13.9 252.2,13.9 251.8,14.3 245.87,14.3 245.18,15 243.2,15 J16.8
/bommanoid_main_bottom/btn_x8: length 24
  Top w0.2: J7.4 262.62,14.3 252.36,14.3 251.97,14.7 246.04,14.7 J16.9
/bommanoid_main_bottom/chargeoutp_5v: length 70.7
  Top w0.5: NT4.2 167.32,37.9 167.32,30.1 177.52,19.9 v1(202.52,19.9)
  Bottom w0.5: J8.4 218.42,15.2 213.72,19.9 v1(202.52,19.9)
